# Altium PCB UmTRXv21.PcbDoc (part 16 of 19) (continued)
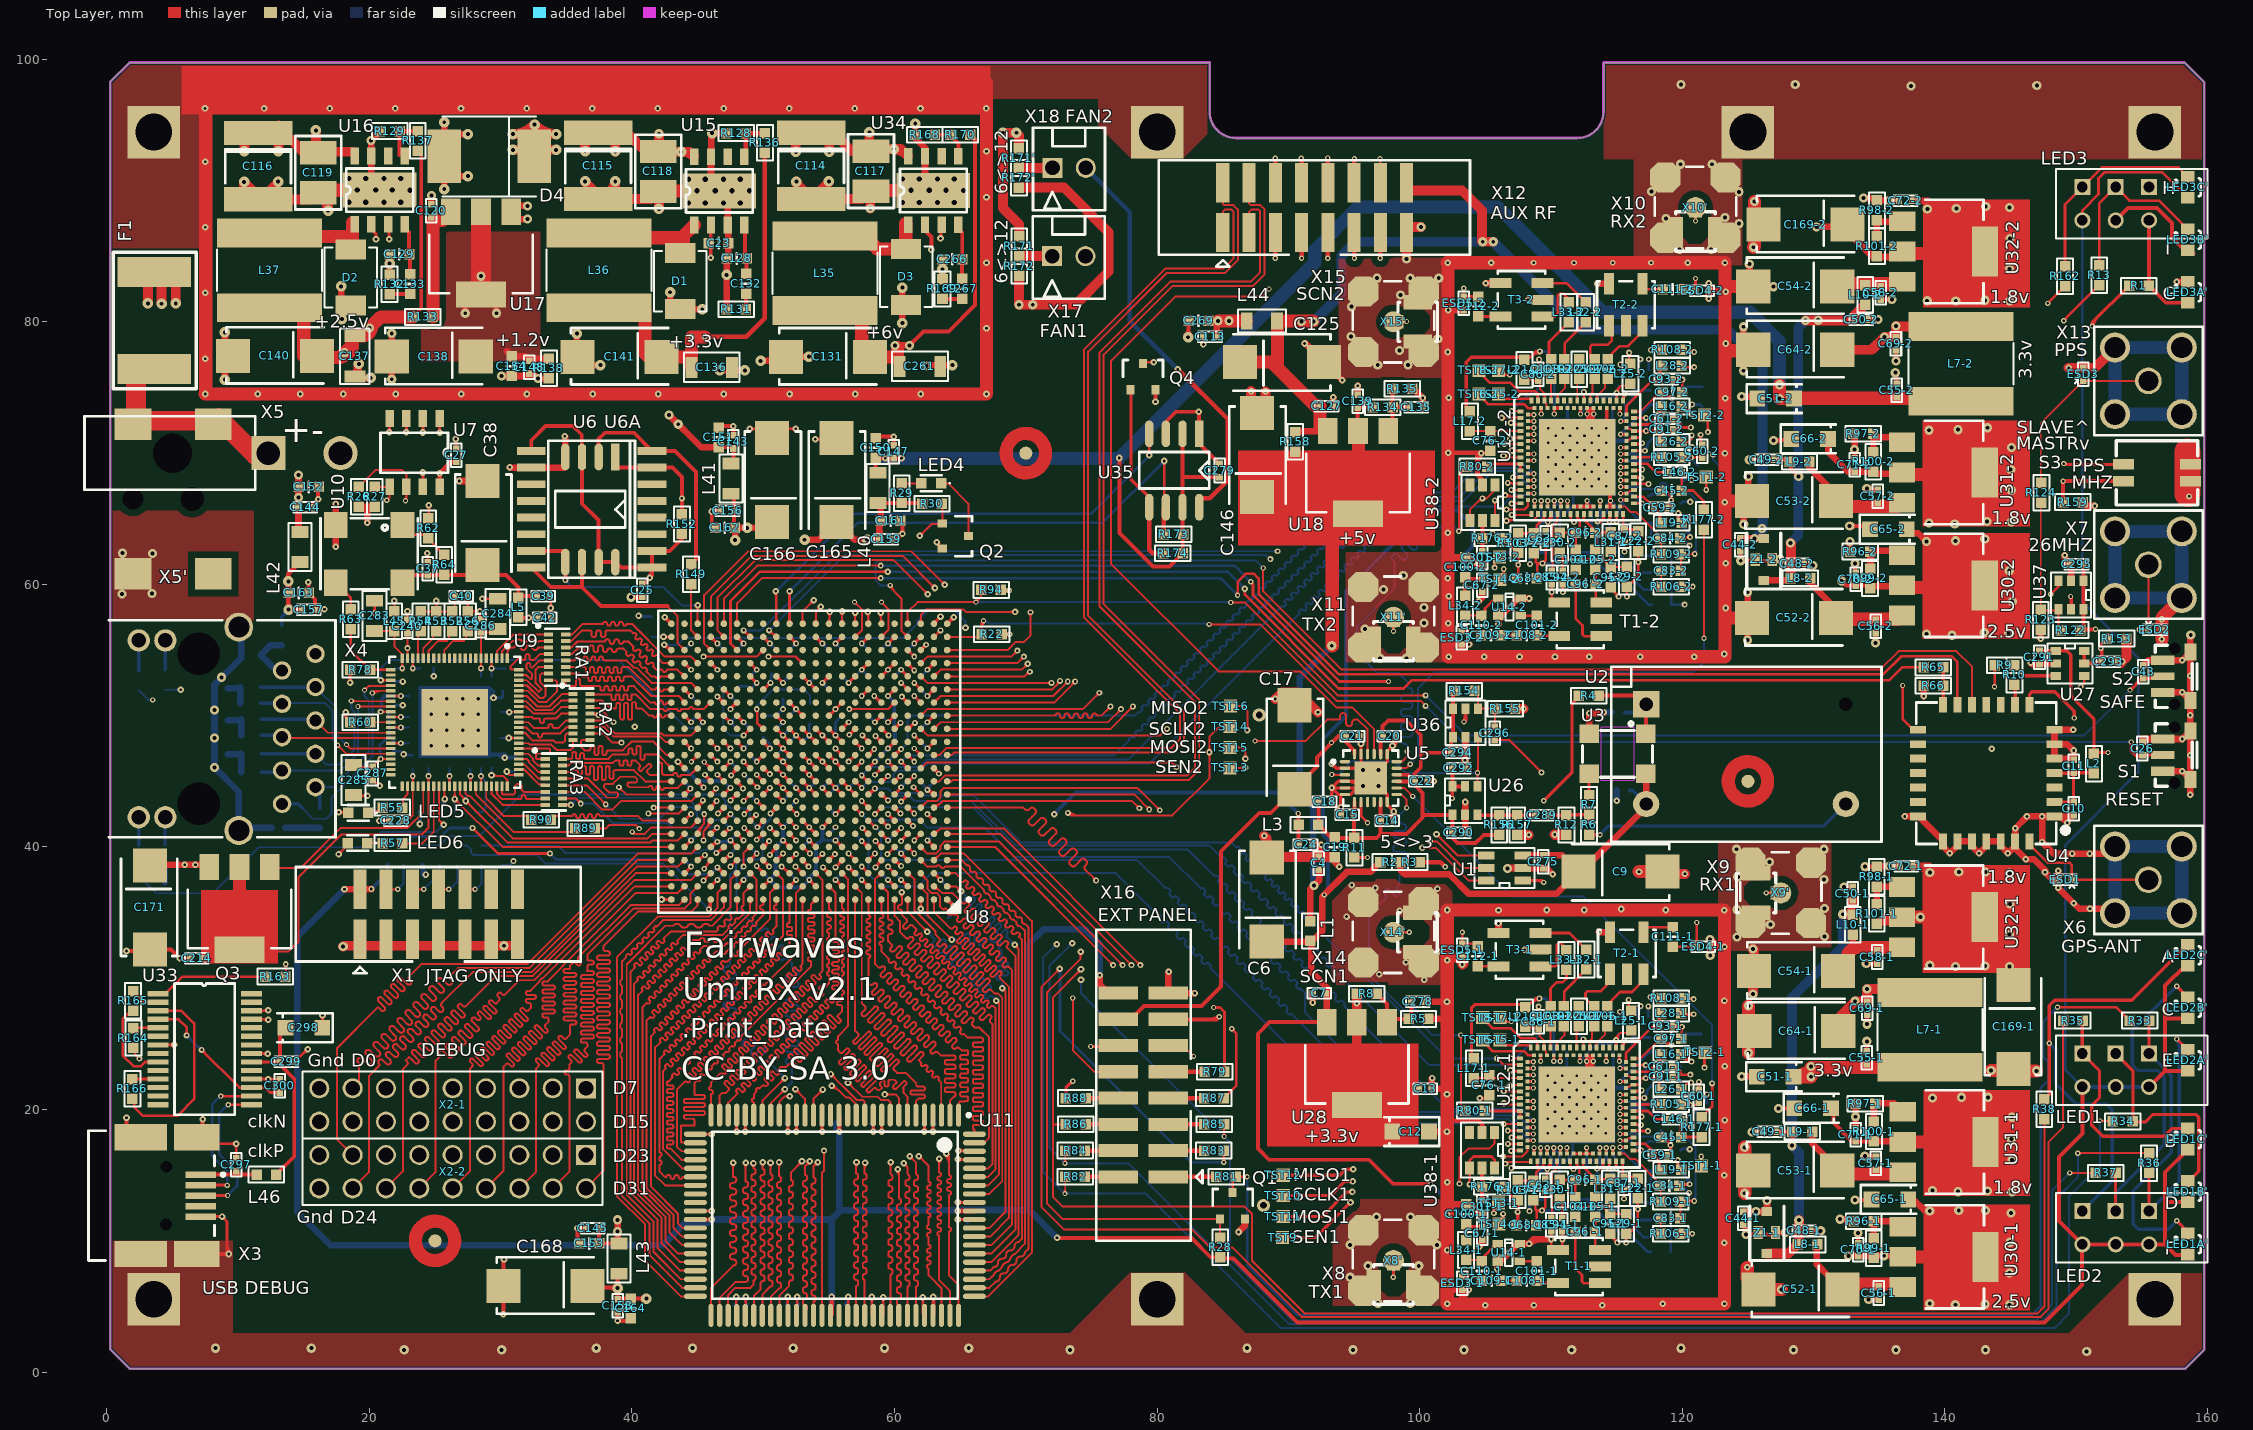
[diagram p0: Top Layer view]
## Nets (pads, with @x,y where several pads share a name; then routed paths per layer and width w, separated by ;. In a path a pad name is that pad's centre, name@x,y a point inside that pad or via, vN(x,y) a via of type N, cw(c..) or ccw(c..) an arc to the next point about the centre after c; other vN are vias at no path point) (continued)
  Top Layer w0.15: v1(56.55,48.55) U8.P8@57,49 ; v1@56.55,48.7 ccw(c56.55,49.062) 56.806,48.806 ccw(c57.062,48.55) v1@56.7,48.55 ; v1@56.608,48.692 ccw(c56.387,49.075) U8.P8@56.826,49.021 ; v1@56.692,48.608 cw(c57.075,48.387) U8.P8@57.021,48.826 ; 56.771,48.786 ccw(c56.701,48.905) U8.P8@56.833,48.947 ; 56.786,48.771 cw(c56.905,48.702) U8.P8@56.947,48.833 ; U8.P8@56.825,49 cw(c56.403,49) 56.701,48.701 cw(c57,48.403) U8.P8@57,48.825 ; 56.813,48.818 ccw(c56.657,48.908) 56.831,48.955 cw(c56.657,48.908) 56.813,48.818 ; 56.818,48.813 cw(c56.908,48.657) 56.955,48.831 ccw(c56.908,48.657) 56.818,48.813
  Top Layer w0.2: U12-2.16@108.246,69.43 v4@108.671,69.43 ; v4@108.625,69.359 ccw(c108.455,69.188) 108.455,69.43 ccw(c108.455,69.671) v4@108.625,69.501
  MidLayer1 w0.15: v1(56.55,48.55) 56.55,48.636 58.889,50.975 61.825,50.975 62.049,50.751 73.751,50.751 75.4,52.4 75.85,52.4 76.4,52.95 77.8,52.95 78.261,53.411 78.261,53.422 78.332,53.492 78.332,53.51 78.427,53.604 78.444,53.604 78.515,53.675 78.525,53.675 78.898,54.048 78.898,54.058 78.968,54.129 78.968,54.146 78.984,54.162 79.063,54.241 79.08,54.241 79.151,54.312 79.162,54.312 79.534,54.684 79.534,54.694 79.605,54.765 79.605,54.782 79.7,54.877 79.717,54.877 79.788,54.948 79.798,54.948 80.17,55.32 80.17,55.331 80.241,55.402 80.241,55.419 80.32,55.498 80.336,55.514 80.353,55.514 80.424,55.584 80.434,55.584 80.807,55.957 80.807,55.967 80.878,56.038 80.878,56.055 80.972,56.15 80.99,56.15 81.06,56.221 81.071,56.221 81.443,56.593 81.443,56.604 81.514,56.674 81.514,56.692 81.609,56.786 81.626,56.786 81.697,56.857 81.707,56.857 82.079,57.229 82.079,57.24 82.15,57.311 82.15,57.328 82.245,57.423 82.262,57.423 82.333,57.494 82.344,57.494 82.716,57.866 82.716,57.876 82.787,57.947 82.787,57.964 82.882,58.059 82.899,58.059 82.97,58.13 82.98,58.13 83.352,58.502 83.352,58.513 83.423,58.584 83.423,58.601 83.439,58.616 83.518,58.696 83.535,58.696 83.606,58.766 83.616,58.766 83.989,59.139 83.989,59.149 84.059,59.22 84.059,59.237 84.154,59.332 84.172,59.332 84.242,59.403 84.253,59.403 84.625,59.775 84.625,59.786 84.696,59.856 84.696,59.874 84.775,59.953 84.791,59.968 84.808,59.968 84.879,60.039 84.889,60.039 85.261,60.411 85.261,60.422 85.332,60.493 85.332,60.51 85.427,60.605 85.444,60.605 85.515,60.676 85.526,60.676 85.85,61 86.116,61 91.789,66.673 91.789,66.939 91.796,66.932 ccw(c91.895,67.031) 91.994,66.932 92.043,66.981 ccw(c91.944,67.08) 92.043,67.179 92.036,67.186 92.029,67.193 cw(c92.128,67.292) 92.029,67.391 92.079,67.441 cw(c92.178,67.342) 92.277,67.441 92.284,67.434 92.291,67.427 ccw(c92.39,67.526) 92.489,67.427 92.538,67.476 ccw(c92.439,67.575) 92.538,67.674 92.531,67.681 92.524,67.688 cw(c92.623,67.787) 92.524,67.886 92.574,67.936 cw(c92.673,67.837) 92.772,67.936 92.779,67.929 92.786,67.922 ccw(c92.885,68.021) 92.984,67.922 93.033,67.971 ccw(c92.934,68.07) 93.033,68.169 93.026,68.176 93.377,68.527 106.188,68.527 106.29,68.628 107.09,68.628 107.892,69.43 v4(108.696,69.43) ; v1@56.7,48.55 cw(c57.269,48.55) 56.867,48.952 ; v4@108.608,69.341 ccw(c108.394,69.128) 108.394,69.43 ccw(c108.394,69.732) v4@108.608,69.518
RX-1: C111-1.1 ESD4-1.2 X9'.1 X9.1 | length 12.2
  Top Layer w0.2: C111-1.1@119.275,32.4 ESD4-1.2@121.1,32.4 v4(121.1,34.25) ; v4(126.4,36.5) X9.1@127.225,36.5 X9'.1@127.5,36.5
  Mid-Layer 2 w0.2: v4(121.1,34.25) 125.45,34.25 125.525,34.325 125.525,36.425 125.6,36.5 v4(126.4,36.5)
RX-2: C111-2.1 ESD4-2.2 X10'.1 X10.1 | length 8.1
  Top Layer w0.2: C111-2.1@120,82.475 120.125,82.35 ESD4-2.2@121,82.35 v4(121,83.3) ; v4@120.929,83.229 cw(c120.759,83.059) 121,83.059 cw(c121.241,83.059) v4@121.071,83.229 ; v4(121,87.675) X10.1@121,88.475 121,88.65 X10.1@121.025,88.675
  Mid-Layer 2 w0.2: v4@120.929,83.371 ccw(c120.759,83.541) 121,83.541 ccw(c121.241,83.541) v4@121.071,83.371 ; v4(121,83.3) v4(121,87.675)
RXD1: R163.1 U8.T17 | length 48.7
  Top Layer w0.15: v1@13.519,30.969 cw(c13.203,30.653) 13.65,30.653 ; v1(13.625,31.075) 13.65,31.05 R163.1@13.65,30.15 ; 13.65,30.773 cw(c13.927,30.773) v1@13.731,30.969 ; v1(47.5,50.5) 47.5,50.6 U8.T17@47.95,51.05 ; v1@47.531,50.631 cw(c48,50.161) U8.T17@48,50.825 ; v1@47.638,50.6 cw(c48.03,50.373) U8.T17@48.008,50.825 ; v1@47.65,50.5 cw(c48.254,50.5) U8.T17@47.827,50.927 ; 47.772,50.872 ccw(c47.644,51) U8.T17@47.825,51 ; 47.775,50.837 cw(c48.014,50.699) U8.T17@48.001,50.975
  Mid-Layer 2 w0.15: v1@13.519,31.181 ccw(c13.263,31.437) 13.625,31.437 ccw(c13.987,31.437) v1@13.731,31.181 ; v1(13.625,31.075) 13.625,33.725 19.2,39.3 29.5,39.3 40.7,50.5 v1(47.5,50.5) ; v1@47.394,50.394 ccw(c47.138,50.138) 47.138,50.5 ccw(c47.138,50.862) v1@47.394,50.606
RXD2: U4.13 U8.AB17 | length 107.1
  Top Layer w0.15: U8.AB17@47.876,57.124 ccw(c47.578,57.422) 48,57.422 ccw(c48.422,57.422) U8.AB17@48.124,57.124 ; U8.AB17@48,57 48,58.575 49.9,60.475 v1(58.95,60.475) ; v1@58.844,60.369 ccw(c58.588,60.113) 58.588,60.475 ccw(c58.588,60.837) v1@58.844,60.581
  Top Layer w0.2: v4@86.054,59.246 ccw(c85.884,59.416) 86.125,59.416 ccw(c86.366,59.416) v4@86.196,59.246 ; v4(86.125,59.175) 86.125,60.2 86.725,60.8 87.375,60.8 87.725,60.45 87.725,59.261 93.836,53.15 135.3,53.15 136.675,54.525 140.525,54.525 140.95,54.1 U4.13@140.95,51.325
  Bottom Layer w0.15: v1(58.95,60.475) v1@59.025,60.55
  Bottom Layer w0.2: v1(58.95,60.475) 84.825,60.475 v4(86.125,59.175) ; v1@59.038,60.387 cw(c59.252,60.173) 59.252,60.475 cw(c59.252,60.777) v1@59.038,60.563 ; v4@86.025,59.175 ccw(c85.784,59.175) 85.954,59.346 ccw(c86.125,59.516) v4@86.125,59.275
SCL: R26.2 U7.6 U8.AA14 U38-1.1 U38-2.1 U38-2.4 | length 203.9
  Top Layer w0.15: R26.2@19.2,67.425 20.5,68.725 22.45,68.725 22.807,68.368 U7.6@22.807,67.428 22.807,66.432 v4(22.75,66.375) ; v4@22.662,66.463 ccw(c22.311,66.814) U7.6@22.807,66.814 ; v1@50.45,56.35 cw(c50.45,55.988) 50.706,56.244 cw(c50.962,56.5) v1@50.6,56.5 ; v1(50.45,56.5) 50.95,56 U8.AA14@51,56 ; 50.616,56.334 ccw(c51,56.718) U8.AA14@51,56.175 ; 50.737,56.213 cw(c50.523,56) U8.AA14@50.825,56 ; v1@102.919,14.456 ccw(c102.663,14.712) 103.025,14.712 ccw(c103.387,14.712) v1@103.131,14.456 ; v1(103.025,14.35) 103.025,16.35 103.7,17.025 105.3,17.025 105.7,17.425 U38-1.1@105.7,18.25 ; U38-2.4@103.825,64.875 103.825,65.7 104.675,66.55 105.1,66.55 ; 104.348,66.223 cw(c104.775,65.796) v1@104.775,66.4 ; v1@104.889,66.453 cw(c105.1,66.273) 105.1,66.55 ; v1@104.889,66.647 ccw(c105.1,66.827) 105.1,66.55 ; U38-2.1@105.725,67.575 105.725,67.175 105.1,66.55
  Mid-Layer 2 w0.15: v1(50.45,56.5) 59.375,56.5 59.975,55.9 59.975,52.175 60.175,51.975 62.95,51.975 63.778,51.147 63.778,37.788 63.9,37.666 63.9,36.975 71.575,29.3 71.575,22.75 74.925,19.4 97.975,19.4 v1(103.025,14.35) ; v1@50.556,56.394 cw(c50.812,56.138) 50.812,56.5 cw(c50.812,56.862) v1@50.556,56.606 ; v1(88.625,61.925) 89.425,61.925 94.05,66.55 v1(104.775,66.55) ; v1@88.731,61.819 cw(c88.987,61.563) 88.987,61.925 cw(c88.987,62.287) v1@88.731,62.031 ; v1@102.875,14.35 ccw(c102.513,14.35) 102.769,14.606 ccw(c103.025,14.862) v1@103.025,14.5 ; v1@104.669,66.444 ccw(c104.413,66.188) 104.413,66.55 ccw(c104.413,66.912) v1@104.669,66.656
  MidLayer1 w0.15: v4@22.625,66.375 cw(c22.323,66.375) 22.537,66.162 cw(c22.75,65.948) v4@22.75,66.25 ; v4(22.75,66.375) 22,65.625 22,60.2 25.35,56.85 48.1,56.85 48.2,56.95 50,56.95 v1(50.45,56.5) ; v1@50.3,56.5 ccw(c49.938,56.5) 50.194,56.756 ccw(c50.45,57.012) v1@50.45,56.65
  Bottom Layer w0.15: v1(50.45,56.5) 56.175,62.225 88.3,62.225 88.6,61.925 v1(88.625,61.925) ; v1@50.45,56.65 ccw(c50.45,57.012) 50.706,56.756 ccw(c50.962,56.5) v1@50.6,56.5 ; 88.326,62.199 ccw(c88.625,62.497) v1@88.625,62.075 ; 88.387,62.138 cw(c88.173,61.925) v1@88.475,61.925
SCLK1: TST10.1 U8.F1 U12-1.70 | length 79.6
  Top Layer w0.15: U8.F1@64,41 68.05,41 v1(78.05,31) ; U8.F1@64.124,40.876 cw(c64.422,40.578) 64.422,41 cw(c64.422,41.422) U8.F1@64.124,41.124 ; v1@77.9,31 ccw(c77.538,31) 77.794,31.256 ccw(c78.05,31.512) v1@78.05,31.15
  Top Layer w0.2: v4@115.282,19.638 U12-1.70@115.707,19.638 ; v4@115.328,19.567 cw(c115.498,19.397) 115.498,19.638 cw(c115.498,19.879) v4@115.328,19.709
  Top Layer w0.25: TST10.1@89.6,13.45 93.225,13.45 94.3,14.525 v2(94.9,14.525) ; v2@94.812,14.437 ccw(c94.598,14.223) 94.598,14.525 ccw(c94.598,14.827) v2@94.812,14.613
  MidLayer1 w0.15: v1@78.05,30.85 cw(c78.05,30.488) 78.306,30.744 cw(c78.562,31) v1@78.2,31 ; v1(78.05,31) 94.525,14.525 ; v2@94.766,14.413 ccw(c94.525,14.211) 94.525,14.525 ; v2@94.766,14.637 cw(c94.525,14.839) 94.525,14.525 ; v2@94.9,14.35 cw(c94.9,13.988) 95.156,14.244 ; v2@95.075,14.525 ccw(c95.558,14.525) 95.216,14.184 ; v4@115.257,19.513 cw(c115.257,19.138) 115.522,19.403 ; v4(115.257,19.638) 115.287,19.638 116.132,18.793 116.132,15.175 114.382,13.425 95.975,13.425 94.875,14.525 94.525,14.525 ; v4@115.382,19.638 ccw(c115.611,19.638) 115.449,19.476
SCLK2: TST14.1 U8.H5 U12-2.70 | length 84.6
  Top Layer w0.15: U8.H5@59.979,42.826 cw(c59.925,42.387) v1@60.308,42.608 ; U8.H5@60,42.825 cw(c60,42.403) 60.299,42.701 cw(c60.597,43) U8.H5@60.175,43 ; U8.H5@60,43 v1(60.45,42.55) ; U8.H5@60.053,42.833 cw(c60.095,42.701) 60.214,42.771 ; U8.H5@60.167,42.947 ccw(c60.299,42.905) 60.229,42.786 ; U8.H5@60.174,43.021 ccw(c60.613,43.075) v1@60.392,42.692 ; v1@60.3,42.55 ccw(c59.938,42.55) 60.194,42.806 ccw(c60.45,43.062) v1@60.45,42.7 ; v1@73.228,42.453 cw(c73.264,42.264) 73.4,42.4 ; v1@73.306,42.706 ccw(c74.045,43.445) 74.045,42.4 ; v1@73.347,42.572 ccw(c73.536,42.536) 73.4,42.4 ; 73.683,42.4 cw(c73.683,43.083) v1(73.2,42.6) 73.4,42.4 ; v2@83.851,47.101 cw(c83.553,46.803) 83.975,46.803 cw(c84.397,46.803) v2@84.099,47.101 ; v2@83.851,47.349 ccw(c83.553,47.647) 83.975,47.647 ccw(c84.397,47.647) v2@84.099,47.349 ; TST14.1@85.55,49.175 84.75,49.175 83.975,48.4 v2(83.975,47.225) 83.975,45.209 81.166,42.4 73.4,42.4 ; U8.H5@60.045,42.831 cw(c60.092,42.657) 60.182,42.813 ccw(c60.092,42.657) U8.H5@60.045,42.831 ; U8.H5@60.169,42.955 ccw(c60.343,42.908) 60.187,42.818 cw(c60.343,42.908) U8.H5@60.169,42.955
  Top Layer w0.2: v4@115.321,68.93 U12-2.70@115.746,68.93 ; v4@115.367,68.859 cw(c115.537,68.688) 115.537,68.93 cw(c115.537,69.171) v4@115.367,69.001
  MidLayer1 w0.15: v1(60.45,42.55) 60.875,42.975 61.676,42.975 61.726,42.925 71.974,42.925 72.875,42.925 v1(73.2,42.6) ; v1@60.45,42.7 ccw(c60.45,43.062) 60.706,42.806 ccw(c60.962,42.55) v1@60.6,42.55 ; v1@73.05,42.6 ccw(c72.688,42.6) 72.944,42.856 ccw(c73.2,43.112) v1@73.2,42.75 ; v2(83.975,47.225) 87.325,47.225 88.575,48.475 88.575,49.025 94.2,54.65 94.2,56.432 96.443,58.675 98.075,58.675 102.4,63 106.834,63 107.384,63.55 107.716,63.55 107.717,63.548 111.733,63.548 113.651,65.467 115.57,65.467 116.171,66.067 116.171,68.085 115.326,68.93 v4(115.296,68.93) ; v2@84.099,47.101 cw(c84.397,46.803) 84.397,47.225 cw(c84.397,47.647) v2@84.099,47.349 ; v4@115.296,68.805 cw(c115.296,68.43) 115.561,68.695 ; v4@115.421,68.93 ccw(c115.65,68.93) 115.488,68.768
SCN-1: C112-1.2 ESD5-1.2 X14'.1 X14.1 | length 7.4
  Top Layer w0.15: C112-1.2@104.2,32.625 C112-1.2@104.4,32.425
  Top Layer w0.2: X14'.1@98,33.5 X14.1@98.225,33.5 v4(99.2,33.5) ; v4(103.25,33.5) ESD5-1.2@103.25,32.625 C112-1.2@104.2,32.625
  Mid-Layer 2 w0.2: v4(99.2,33.5) v4(103.25,33.5)
SCN-2: C112-2.2 ESD5-2.2 X15'.1 X15.1 | length 9.6
  Top Layer w0.2: X15'.1@98,80 98.025,80.025 v4(99,80.025) ; v4(103.35,82.55) ESD5-2.2@103.35,81.9 103.375,81.925 C112-2.2@104.475,81.925
  Mid-Layer 2 w0.2: v4(99,80.025) 103.275,80.025 103.35,80.1 v4(103.35,82.55)
SDA: R27.2 U7.5 U8.AA16 U38-1.4 U38-1.6 U38-2.6 | length 199.3
  Top Layer w0.15: R27.2@20.4,67.425 U7.5@21.537,67.425 ; v4@21.344,66.524 ccw(c21.378,66.746) 21.537,66.587 ; v4@21.375,66.425 21.537,66.587 ; v4@21.45,66.4 cw(c21.691,66.4) 21.521,66.571 ; U7.5@21.537,67.428 U7.5@21.537,67.425 ; U7.5@21.675,67.425 U7.5@21.537,67.425 ; v1@48.5,56.35 cw(c48.5,55.988) 48.756,56.244 cw(c49.012,56.5) v1@48.65,56.5 ; v1(48.5,56.5) U8.AA16@49,56 ; U8.AA16@48.825,56 ccw(c48.402,56) 48.701,56.299 ccw(c49,56.597) U8.AA16@49,56.175 ; v1@105.619,66.294 cw(c105.363,66.038) 105.725,66.038 ; U38-2.6@105.725,64.875 v1(105.725,66.4) ; 105.725,66.038 cw(c106.087,66.038) v1@105.831,66.294 ; 21.537,66.587 U7.5@21.537,67.425
  Top Layer w0.2: v1@103.712,14.388 ccw(c103.498,14.602) 103.8,14.602 ccw(c104.102,14.602) v1@103.888,14.388 ; v1(103.8,14.3) U38-1.4@103.8,15.55 103.8,16.125 104.1,16.425 105.45,16.425 105.7,16.175 U38-1.6@105.7,15.55
  Mid-Layer 2 w0.15: v1(48.5,56.5) 48.9,56.9 59.525,56.9 61.025,55.4 61.025,53.225 61.25,53 61.75,53 62.275,52.475 63.075,52.475 64.2,51.35 64.2,38.3 72.075,30.425 72.075,22.975 75.1,19.95 98.15,19.95 v1(103.8,14.3) ; v1@48.5,56.65 ccw(c48.5,57.012) 48.756,56.756 ccw(c49.012,56.5) v1@48.65,56.5 ; v1(89.175,62.525) 93.6,66.95 105.125,66.95 105.675,66.4 v1(105.725,66.4) ; v1@89.175,62.675 ccw(c89.175,63.037) 89.431,62.781 ccw(c89.687,62.525) v1@89.325,62.525 ; v1@103.65,14.3 ccw(c103.288,14.3) 103.544,14.556 ccw(c103.8,14.812) v1@103.8,14.45 ; 105.384,66.691 ccw(c105.725,67.032) v1@105.725,66.55 ; 105.504,66.571 cw(c105.333,66.4) v1@105.575,66.4
  MidLayer1 w0.15: v4@21.237,66.312 cw(c21.023,66.098) 21.325,66.098 cw(c21.627,66.098) v4@21.413,66.312 ; v4(21.325,66.4) 21.325,60.275 25.1,56.5 v1(48.5,56.5) ; v1@48.394,56.394 ccw(c48.138,56.138) 48.138,56.5 ccw(c48.138,56.862) v1@48.394,56.606
  Bottom Layer w0.15: v1(48.5,56.5) 49.825,56.5 55.85,62.525 v1(89.175,62.525) ; v1@48.606,56.394 cw(c48.862,56.138) 48.862,56.5 cw(c48.862,56.862) v1@48.606,56.606 ; v1@89.069,62.419 ccw(c88.813,62.163) 88.813,62.525 ccw(c88.813,62.887) v1@89.069,62.631
SEN1: TST9.1 U8.E1 U12-1.67 | length 80.6
  Top Layer w0.15: U8.E1@64,40 67.65,40 v1(76.65,31) ; U8.E1@64.124,39.876 cw(c64.422,39.578) 64.422,40 cw(c64.422,40.422) U8.E1@64.124,40.124 ; v1@76.5,31 ccw(c76.138,31) 76.394,31.256 ccw(c76.65,31.512) v1@76.65,31.15
  Top Layer w0.2: U12-1.67@116.282,18.888 v1@116.959,18.888 ; U12-1.67@116.378,18.888 cw(c116.378,18.358) v1@116.753,18.733
  Top Layer w0.25: TST9.1@89.549,10.25 92.05,10.25 v2(94.725,12.925) ; v2@94.6,12.925 cw(c94.298,12.925) 94.512,12.712 cw(c94.725,12.498) v2@94.725,12.8
  MidLayer1 w0.15: v1@76.65,30.85 cw(c76.65,30.488) 76.906,30.744 cw(c77.162,31) v1@76.8,31 ; v1(76.65,31) v2(94.725,12.925) 114.589,12.925 116.732,15.068 116.732,15.91 117.4,16.578 117.4,17.005 116.841,17.564 v1(116.841,18.821) ; v2@94.55,12.925 ccw(c94.128,12.925) 94.426,13.224 ccw(c94.725,13.522) v2@94.725,13.1 ; v2@94.849,12.801 cw(c95.147,12.503) 95.147,12.925 cw(c95.147,13.347) v2@94.849,13.049 ; v1@116.735,18.715 cw(c116.479,18.459) 116.841,18.459 cw(c117.204,18.459) v1@116.948,18.715
SEN2: TST13.1 U8.M4 U12-2.67 | length 76.5
  Top Layer w0.15: U8.M4@61,46.825 cw(c61,46.403) 61.299,46.701 cw(c61.597,47) U8.M4@61.175,47 ; U8.M4@61,47 v1(61.5,46.5) ; v1@61.35,46.5 ccw(c60.988,46.5) 61.244,46.756 ccw(c61.5,47.012) v1@61.5,46.65 ; TST13.1@85.55,46.025 v2(86.7,46.025) ; v2@86.576,45.901 ccw(c86.278,45.603) 86.278,46.025 ccw(c86.278,46.447) v2@86.576,46.149
  Top Layer w0.2: U12-2.67@116.321,68.18 v1@116.998,68.18 ; U12-2.67@116.417,68.18 cw(c116.417,67.65) v1@116.792,68.025
  MidLayer1 w0.15: v1(61.5,46.5) 62.389,46.5 62.639,46.75 82.15,46.75 82.875,46.025 v2(86.7,46.025) 86.957,46.025 ; v1@61.606,46.394 cw(c61.862,46.138) 61.862,46.5 cw(c61.862,46.862) v1@61.606,46.606 ; v2@86.576,45.901 ccw(c86.278,45.603) 86.278,46.025 ccw(c86.278,46.447) v2@86.576,46.149 ; v2@86.7,46.05 ccw(c86.7,46.731) 87.182,46.249 ; v2@86.7,46.2 ccw(c86.7,47.243) 87.438,46.506 ; v2@86.863,45.961 cw(c86.957,45.924) 86.957,46.025 ; v2@86.863,46.089 ccw(c86.957,46.126) 86.957,46.025 ; v1@116.774,68.007 cw(c116.518,67.751) 116.88,67.751 cw(c117.243,67.751) v1@116.986,68.007 ; v1(116.88,68.113) 116.88,66.855 117.311,66.424 117.311,66.007 113.655,62.35 102.95,62.35 98.575,57.975 96.45,57.975 94.925,56.45 94.925,53.993 86.957,46.025
TCK: R15.1 X1.6 | length 5.1
  Top Layer w0.15: X1.6@23.275,36.775 v4(24.135,36.775) ; 23.809,36.775 ccw(c23.809,37.11) v4@24.046,36.873 ; 23.857,36.775 cw(c23.857,36.507) v4@24.046,36.696 ; v4@24.046,36.687 ccw(c23.833,36.473) 23.833,36.775 ccw(c23.833,37.077) v4@24.046,36.863
  MidLayer1 w0.15: v4(24.135,36.775) v4(24.135,36.785)
  Bottom Layer w0.15: v4(24.135,36.785) 25.341,37.991 R15.1@25.341,38.62 ; v4@24.135,36.9 ccw(c24.135,37.178) 24.331,36.981 ; v4@24.135,36.91 ccw(c24.135,37.212) 24.348,36.998 ccw(c24.562,36.785) v4@24.26,36.785 ; v4@24.26,36.775 cw(c24.585,36.775) 24.355,37.005
TDI: R17.1 X1.10 | length 3.7
  Top Layer w0.15: X1.10@27.275,36.775 v4(28.05,36.775) ; v4@27.962,36.687 ccw(c27.748,36.473) 27.748,36.775 ccw(c27.748,37.077) v4@27.962,36.863
  Bottom Layer w0.15: v4(28.05,36.775) 28.125,36.775 28.55,37.2 R17.1@28.55,38.6 ; v4@28.05,36.9 ccw(c28.05,37.383) 28.391,37.041
TDO: R16.1 X1.8 | length 3.8
  Top Layer w0.15: X1.8@25.275,36.775 v4(26.05,36.775) ; v4@25.962,36.687 ccw(c25.748,36.473) 25.748,36.775 ccw(c25.748,37.077) v4@25.962,36.863
  Bottom Layer w0.15: v4(26.05,36.775) 26.125,36.775 26.7,37.35 R16.1@26.7,38.6 ; v4@26.05,36.9 ccw(c26.05,37.383) 26.391,37.041
TMS: R14.1 X1.4 | length 3.9
  Top Layer w0.15: X1.4@21.275,36.775 v4(22.15,36.775) ; v4@22.062,36.687 ccw(c21.848,36.473) 21.848,36.775 ccw(c21.848,37.077) v4@22.062,36.863
  Bottom Layer w0.15: v4(22.15,36.775) 22.15,36.8 22.604,37.254 R14.1@22.604,38.633 ; v4@22.15,36.9 ccw(c22.15,37.141) 22.321,36.971 ; v4@22.275,36.775 cw(c22.637,36.775) 22.381,37.031
TX1D0: U8.H4 U12-1.21 | length 70.3
  Top Layer w0.15: U8.H4@61,42.825 cw(c61,42.403) 61.299,42.701 cw(c61.597,43) U8.H4@61.175,43 ; U8.H4@61,43 U8.H4@61.05,43 ; U8.H4@61.045,42.831 cw(c61.103,42.614) 61.216,42.809 ; U8.H4@61.15,42.85 v1@61.5,42.5 ; U8.H4@61.159,42.841 ccw(c61.5,43.183) v1@61.5,42.7 ; U8.H4@61.172,43.03 ccw(c61.643,43.114) v1@61.404,42.7 ; 61.279,42.721 cw(c61.109,42.55) v1@61.35,42.55 ; v1(106.38,18.901) 107.619,18.901 U12-1.21@107.632,18.888 ; v1@106.486,18.795 cw(c106.742,18.539) 106.742,18.901 cw(c106.742,19.263) v1@106.486,19.007
  MidLayer1 w0.15: v1@61.4,42.65 61.975,42.075 62.676,42.075 76.875,42.075 79.25,39.7 81.3,39.7 89.122,31.878 ccw(c89.317,31.754) 89.44,31.56 cw(c89.599,31.401) 89.759,31.241 ccw(c89.918,31.082) 90.077,30.923 cw(c90.236,30.764) 90.395,30.605 ccw(c90.554,30.446) 90.713,30.287 cw(c90.872,30.128) 91.031,29.969 ccw(c91.19,29.81) 91.349,29.651 cw(c91.509,29.491) 91.668,29.332 ccw(c91.827,29.173) 91.986,29.014 cw(c92.145,28.855) 92.304,28.696 ccw(c92.463,28.537) 92.622,28.378 cw(c92.781,28.219) 92.94,28.06 ccw(c93.1,27.9) 93.259,27.741 cw(c93.418,27.582) 93.577,27.423 ccw(c93.736,27.264) 93.895,27.105 cw(c94.054,26.946) 94.213,26.787 ccw(c94.372,26.628) 94.531,26.469 cw(c94.691,26.309) 94.85,26.15 ccw(c95.009,25.991) 95.168,25.832 cw(c95.327,25.673) 95.486,25.514 ccw(c95.645,25.355) 95.804,25.196 cw(c95.963,25.037) 96.122,24.878 ccw(c96.282,24.718) 96.441,24.559 cw(c96.6,24.4) 96.759,24.241 ccw(c96.918,24.082) 97.077,23.923 cw(c97.236,23.764) 97.395,23.605 ccw(c97.554,23.446) 97.713,23.287 cw(c97.873,23.127) 98.032,22.968 ccw(c98.191,22.809) 98.35,22.65 cw(c98.509,22.491) 98.668,22.332 ccw(c98.827,22.173) 98.986,22.014 cw(c99.145,21.855) 99.304,21.696 ccw(c99.464,21.536) 99.623,21.377 cw(c99.782,21.218) 99.941,21.059 ccw(c100.1,20.9) 100.259,20.741 cw(c100.418,20.582) 100.577,20.423 ccw(c100.736,20.264) 100.895,20.105 cw(c101.055,19.945) 101.214,19.786 ccw(c101.373,19.627) 101.532,19.468 cw(c101.691,19.309) 101.85,19.15 102.05,18.95 106.331,18.95 v1(106.38,18.901) ; v1@61.5,42.4 cw(c61.5,42.038) 61.756,42.294 cw(c62.012,42.55) v1@61.65,42.55 ; 105.9,18.95 cw(c105.9,18.42) v1@106.274,18.795 ; 106.137,18.95 ccw(c106.137,19.145) v1@106.274,19.007
  other v1: 61.5,42.55
TX1D1: U8.H8 U12-1.22 | length 69.8
  Top Layer w0.15: U8.H8@57,42.825 cw(c57,42.403) 57.299,42.701 cw(c57.597,43) U8.H8@57.175,43 ; U8.H8@57,43 v1(57.5,42.5) ; v1@57.35,42.5 ccw(c56.988,42.5) 57.244,42.756 ccw(c57.5,43.012) v1@57.5,42.65
  Top Layer w0.2: U12-1.22@108.207,18.638 v4@108.632,18.638 ; v4@108.586,18.567 ccw(c108.416,18.397) 108.416,18.638 ccw(c108.416,18.879) v4@108.586,18.709
  Bottom Layer w0.15: v1@57.5,42.35 cw(c57.5,41.988) 57.756,42.244 cw(c58.012,42.5) v1@57.65,42.5 ; v1(57.5,42.5) 58,42 59.8,42 59.875,42.075 61.875,42.075 62.45,41.5 66.85,41.5 69.1,39.25 80.9,39.25 83.309,36.841 cw(c83.415,36.735) 83.521,36.841 83.627,36.735 cw(c83.521,36.629) 83.627,36.523 ccw(c83.733,36.417) 83.627,36.311 83.733,36.205 ccw(c83.839,36.311) 83.945,36.205 cw(c84.052,36.098) 84.158,36.205 84.264,36.098 cw(c84.158,35.992) 84.264,35.886 ccw(c84.37,35.78) 84.264,35.674 84.37,35.568 ccw(c84.476,35.674) 84.582,35.568 cw(c84.688,35.462) 84.794,35.568 84.9,35.462 cw(c84.794,35.356) 84.9,35.25 ccw(c85.006,35.144) 84.9,35.038 85.006,34.932 ccw(c85.112,35.038) 85.218,34.932 cw(c85.324,34.826) 85.43,34.932 85.536,34.826 cw(c85.43,34.72) 85.536,34.614 ccw(c85.643,34.507) 85.536,34.401 85.643,34.295 ccw(c85.749,34.401) 85.855,34.295 cw(c85.961,34.189) 86.067,34.295 86.173,34.189 cw(c86.067,34.083) 86.173,33.977 ccw(c86.279,33.871) 86.173,33.765 86.279,33.659 ccw(c86.385,33.765) 86.491,33.659 cw(c86.597,33.553) 86.703,33.659 86.809,33.553 cw(c86.703,33.447) 86.809,33.341 ccw(c86.915,33.235) 86.809,33.129 86.915,33.023 ccw(c87.021,33.129) 87.127,33.023 cw(c87.234,32.916) 87.34,33.023 87.446,32.916 cw(c87.34,32.81) 87.446,32.704 ccw(c87.552,32.598) 87.446,32.492 87.552,32.386 ccw(c87.658,32.492) 87.764,32.386 cw(c87.87,32.28) 87.976,32.386 88.082,32.28 cw(c87.976,32.174) 88.082,32.068 ccw(c88.188,31.962) 88.082,31.856 88.188,31.75 ccw(c88.294,31.856) 88.4,31.75 cw(c88.506,31.644) 88.612,31.75 88.718,31.644 cw(c88.612,31.538) 88.718,31.432 ccw(c88.825,31.325) 88.718,31.219 88.825,31.113 ccw(c88.931,31.219) 89.037,31.113 cw(c89.143,31.007) 89.249,31.113 89.355,31.007 cw(c89.249,30.901) 89.355,30.795 ccw(c89.461,30.689) 89.355,30.583 89.461,30.477 ccw(c89.567,30.583) 89.673,30.477 cw(c89.779,30.371) 89.885,30.477 89.991,30.371 cw(c89.885,30.265) 89.991,30.159 ccw(c90.097,30.053) 89.991,29.947 90.097,29.841 ccw(c90.203,29.947) 90.309,29.841 cw(c90.416,29.734) 90.522,29.841 90.628,29.734 cw(c90.522,29.628) 90.628,29.522 ccw(c90.734,29.416) 90.628,29.31 90.734,29.204 ccw(c90.84,29.31) 90.946,29.204 91.25,28.9 91.25,27.425 98.874,19.801 107.199,19.801 108.362,18.638 ; v4@108.567,18.551 ccw(c108.362,18.352) 108.362,18.638 ; v4@108.567,18.725 cw(c108.362,18.924) 108.362,18.638 ; v4(108.657,18.638) 108.362,18.638
TX1D2: U8.G4 U12-1.23 | length 71.1
  Top Layer w0.15: U8.G4@60.993,41.825 cw(c60.979,41.509) v1@61.253,41.667 ; U8.G4@61,41.825 cw(c61,41.403) 61.299,41.701 cw(c61.597,42) U8.G4@61.175,42 ; U8.G4@61,42 v1(61.4,41.6) ; U8.G4@61.045,41.831 cw(c61.108,41.597) 61.229,41.807 ; U8.G4@61.169,41.955 ccw(c61.403,41.892) 61.193,41.771 ; U8.G4@61.175,42.007 ccw(c61.491,42.021) v1@61.333,41.747 ; v1@61.25,41.6 ccw(c60.888,41.6) 61.144,41.856 ccw(c61.4,42.112) v1@61.4,41.75 ; v1(106.7,18.4) 106.712,18.388 U12-1.23@107.632,18.388 ; v1@106.806,18.294 cw(c107.033,18.067) 107.033,18.388 ; v1@106.806,18.506 ccw(c107.091,18.791) 107.091,18.388 ; v1(61.4,41.6) 61.45,41.65 61.45,41.55 v1(61.4,41.6)
  MidLayer1 w0.15: v1@61.4,41.55 76.05,41.55 78.7,38.9 80,38.9 87.831,31.069 cw(c87.817,31.055) 87.831,31.041 ccw(c87.958,30.914) 87.831,30.786 87.894,30.723 ccw(c88.022,30.85) 88.149,30.723 88.163,30.737 88.177,30.751 cw(c88.304,30.624) 88.432,30.751 88.495,30.687 cw(c88.368,30.56) 88.495,30.433 88.481,30.419 88.467,30.405 ccw(c88.594,30.277) 88.467,30.15 88.531,30.086 ccw(c88.658,30.214) 88.785,30.086 88.799,30.101 88.814,30.115 cw(c88.941,29.987) 89.068,30.115 89.132,30.051 cw(c89.004,29.924) 89.132,29.797 89.118,29.782 89.103,29.768 ccw(c89.231,29.641) 89.103,29.514 89.167,29.45 ccw(c89.294,29.577) 89.422,29.45 89.436,29.464 89.45,29.478 cw(c89.577,29.351) 89.704,29.478 89.768,29.415 cw(c89.641,29.287) 89.768,29.16 89.74,29.132 ccw(c89.867,29.005) 89.74,28.877 89.803,28.814 ccw(c89.931,28.941) 90.058,28.814 90.072,28.828 90.086,28.842 cw(c90.214,28.715) 90.341,28.842 90.405,28.778 cw(c90.277,28.651) 90.405,28.524 90.39,28.51 90.376,28.495 ccw(c90.504,28.368) 90.376,28.241 90.44,28.177 ccw(c90.567,28.305) 90.694,28.177 90.709,28.191 90.723,28.206 cw(c90.85,28.078) 90.977,28.206 91.041,28.142 cw(c90.914,28.015) 91.041,27.887 91.027,27.873 91.013,27.859 ccw(c91.14,27.732) 91.013,27.605 91.076,27.541 ccw(c91.204,27.668) 91.331,27.541 91.345,27.555 91.359,27.569 cw(c91.486,27.442) 91.614,27.569 91.677,27.506 cw(c91.55,27.378) 91.677,27.251 91.663,27.237 91.649,27.223 ccw(c91.776,27.095) 91.649,26.968 91.713,26.904 ccw(c91.84,27.032) 91.967,26.904 91.996,26.933 cw(c92.123,26.805) 92.25,26.933 92.314,26.869 cw(c92.186,26.742) 92.314,26.615 92.3,26.6 92.285,26.586 ccw(c92.413,26.459) 92.285,26.332 92.349,26.268 ccw(c92.476,26.395) 92.604,26.268 92.618,26.282 92.632,26.296 cw(c92.759,26.169) 92.886,26.296 92.95,26.233 cw(c92.823,26.105) 92.95,25.978 92.936,25.964 92.922,25.95 ccw(c93.049,25.823) 92.922,25.695 92.985,25.632 ccw(c93.113,25.759) 93.24,25.632 93.254,25.646 93.268,25.66 cw(c93.396,25.533) 93.523,25.66 93.587,25.596 cw(c93.459,25.469) 93.587,25.342 93.572,25.328 93.558,25.313 ccw(c93.685,25.186) 93.558,25.059 93.622,24.995 ccw(c93.749,25.123) 93.876,24.995 93.891,25.009 93.905,25.024 cw(c94.032,24.896) 94.159,25.024 94.223,24.96 cw(c94.096,24.833) 94.223,24.705 94.209,24.691 94.195,24.677 ccw(c94.322,24.55) 94.195,24.423 94.258,24.359 ccw(c94.386,24.486) 94.513,24.359 94.527,24.373 94.541,24.387 cw(c94.668,24.26) 94.796,24.387 94.859,24.324 cw(c94.732,24.196) 94.859,24.069 94.845,24.055 94.831,24.041 ccw(c94.958,23.913) 94.831,23.786 94.895,23.723 ccw(c95.022,23.85) 95.149,23.723 95.163,23.737 95.177,23.751 cw(c95.305,23.624) 95.432,23.751 95.496,23.687 cw(c95.368,23.56) 95.496,23.433 95.482,23.418 95.467,23.404 ccw(c95.595,23.277) 95.467,23.15 95.531,23.086 ccw(c95.658,23.213) 95.786,23.086 95.8,23.1 95.814,23.114 cw(c95.941,22.987) 96.068,23.114 96.132,23.051 cw(c96.005,22.923) 96.132,22.796 96.118,22.782 96.104,22.768 ccw(c96.231,22.641) 96.104,22.513 96.167,22.45 ccw(c96.295,22.577) 96.422,22.45 96.436,22.464 96.45,22.478 cw(c96.578,22.351) 96.705,22.478 96.768,22.414 cw(c96.641,22.287) 96.768,22.16 96.754,22.146 96.74,22.132 ccw(c96.867,22.004) 96.74,21.877 96.804,21.813 ccw(c96.931,21.941) 97.058,21.813 97.073,21.827 97.087,21.842 cw(c97.214,21.714) 97.341,21.842 97.405,21.778 cw(c97.278,21.651) 97.405,21.523 97.391,21.509 97.377,21.495 ccw(c97.504,21.368) 97.377,21.241 97.44,21.177 ccw(c97.568,21.304) 97.695,21.177 97.709,21.191 97.723,21.205 cw(c97.85,21.078) 97.978,21.205 98.041,21.142 cw(c97.914,21.014) 98.041,20.887 98.027,20.873 98.013,20.859 ccw(c98.14,20.731) 98.013,20.604 98.077,20.541 ccw(c98.204,20.668) 98.331,20.541 98.345,20.555 98.359,20.569 cw(c98.487,20.442) 98.614,20.569 98.678,20.505 cw(c98.55,20.378) 98.678,20.251 98.664,20.236 98.649,20.222 ccw(c98.777,20.095) 98.649,19.968 98.713,19.904 ccw(c98.84,20.031) 98.968,19.904 98.982,19.918 98.996,19.932 cw(c99.123,19.805) 99.25,19.932 99.314,19.869 cw(c99.187,19.742) 99.314,19.614 99.3,19.6 99.286,19.586 ccw(c99.413,19.459) 99.286,19.331 99.349,19.268 ccw(c99.477,19.395) 99.604,19.268 99.618,19.282 99.632,19.296 cw(c99.76,19.169) 99.887,19.296 99.95,19.232 cw(c99.823,19.105) 99.95,18.978 99.936,18.964 99.922,18.95 ccw(c100.049,18.822) 99.922,18.695 99.986,18.631 ccw(c100.113,18.759) 100.24,18.631 100.255,18.645 100.269,18.66 cw(c100.396,18.532) 100.523,18.66 100.587,18.596 cw(c100.46,18.469) 100.587,18.341 ccw(c100.601,18.327) 100.587,18.313 101.05,17.85 102.63,17.85 ccw(c102.63,17.87) 102.65,17.87 cw(c102.83,17.87) 102.83,18.05 102.92,18.05 cw(c102.92,17.87) 103.1,17.87 ccw(c103.12,17.87) 103.12,17.85 104.75,17.85 105.3,18.4 v1(106.7,18.4) ; v1@61.506,41.494 cw(c61.642,41.358) 61.642,41.55 ; v1@61.506,41.706 ccw(c61.883,42.083) 61.883,41.55 ; v1@106.594,18.294 ccw(c106.338,18.038) 106.338,18.4 ccw(c106.338,18.762) v1@106.594,18.506